# Altium PCB PCB1.PcbDoc (part 2 of 2) (continued)
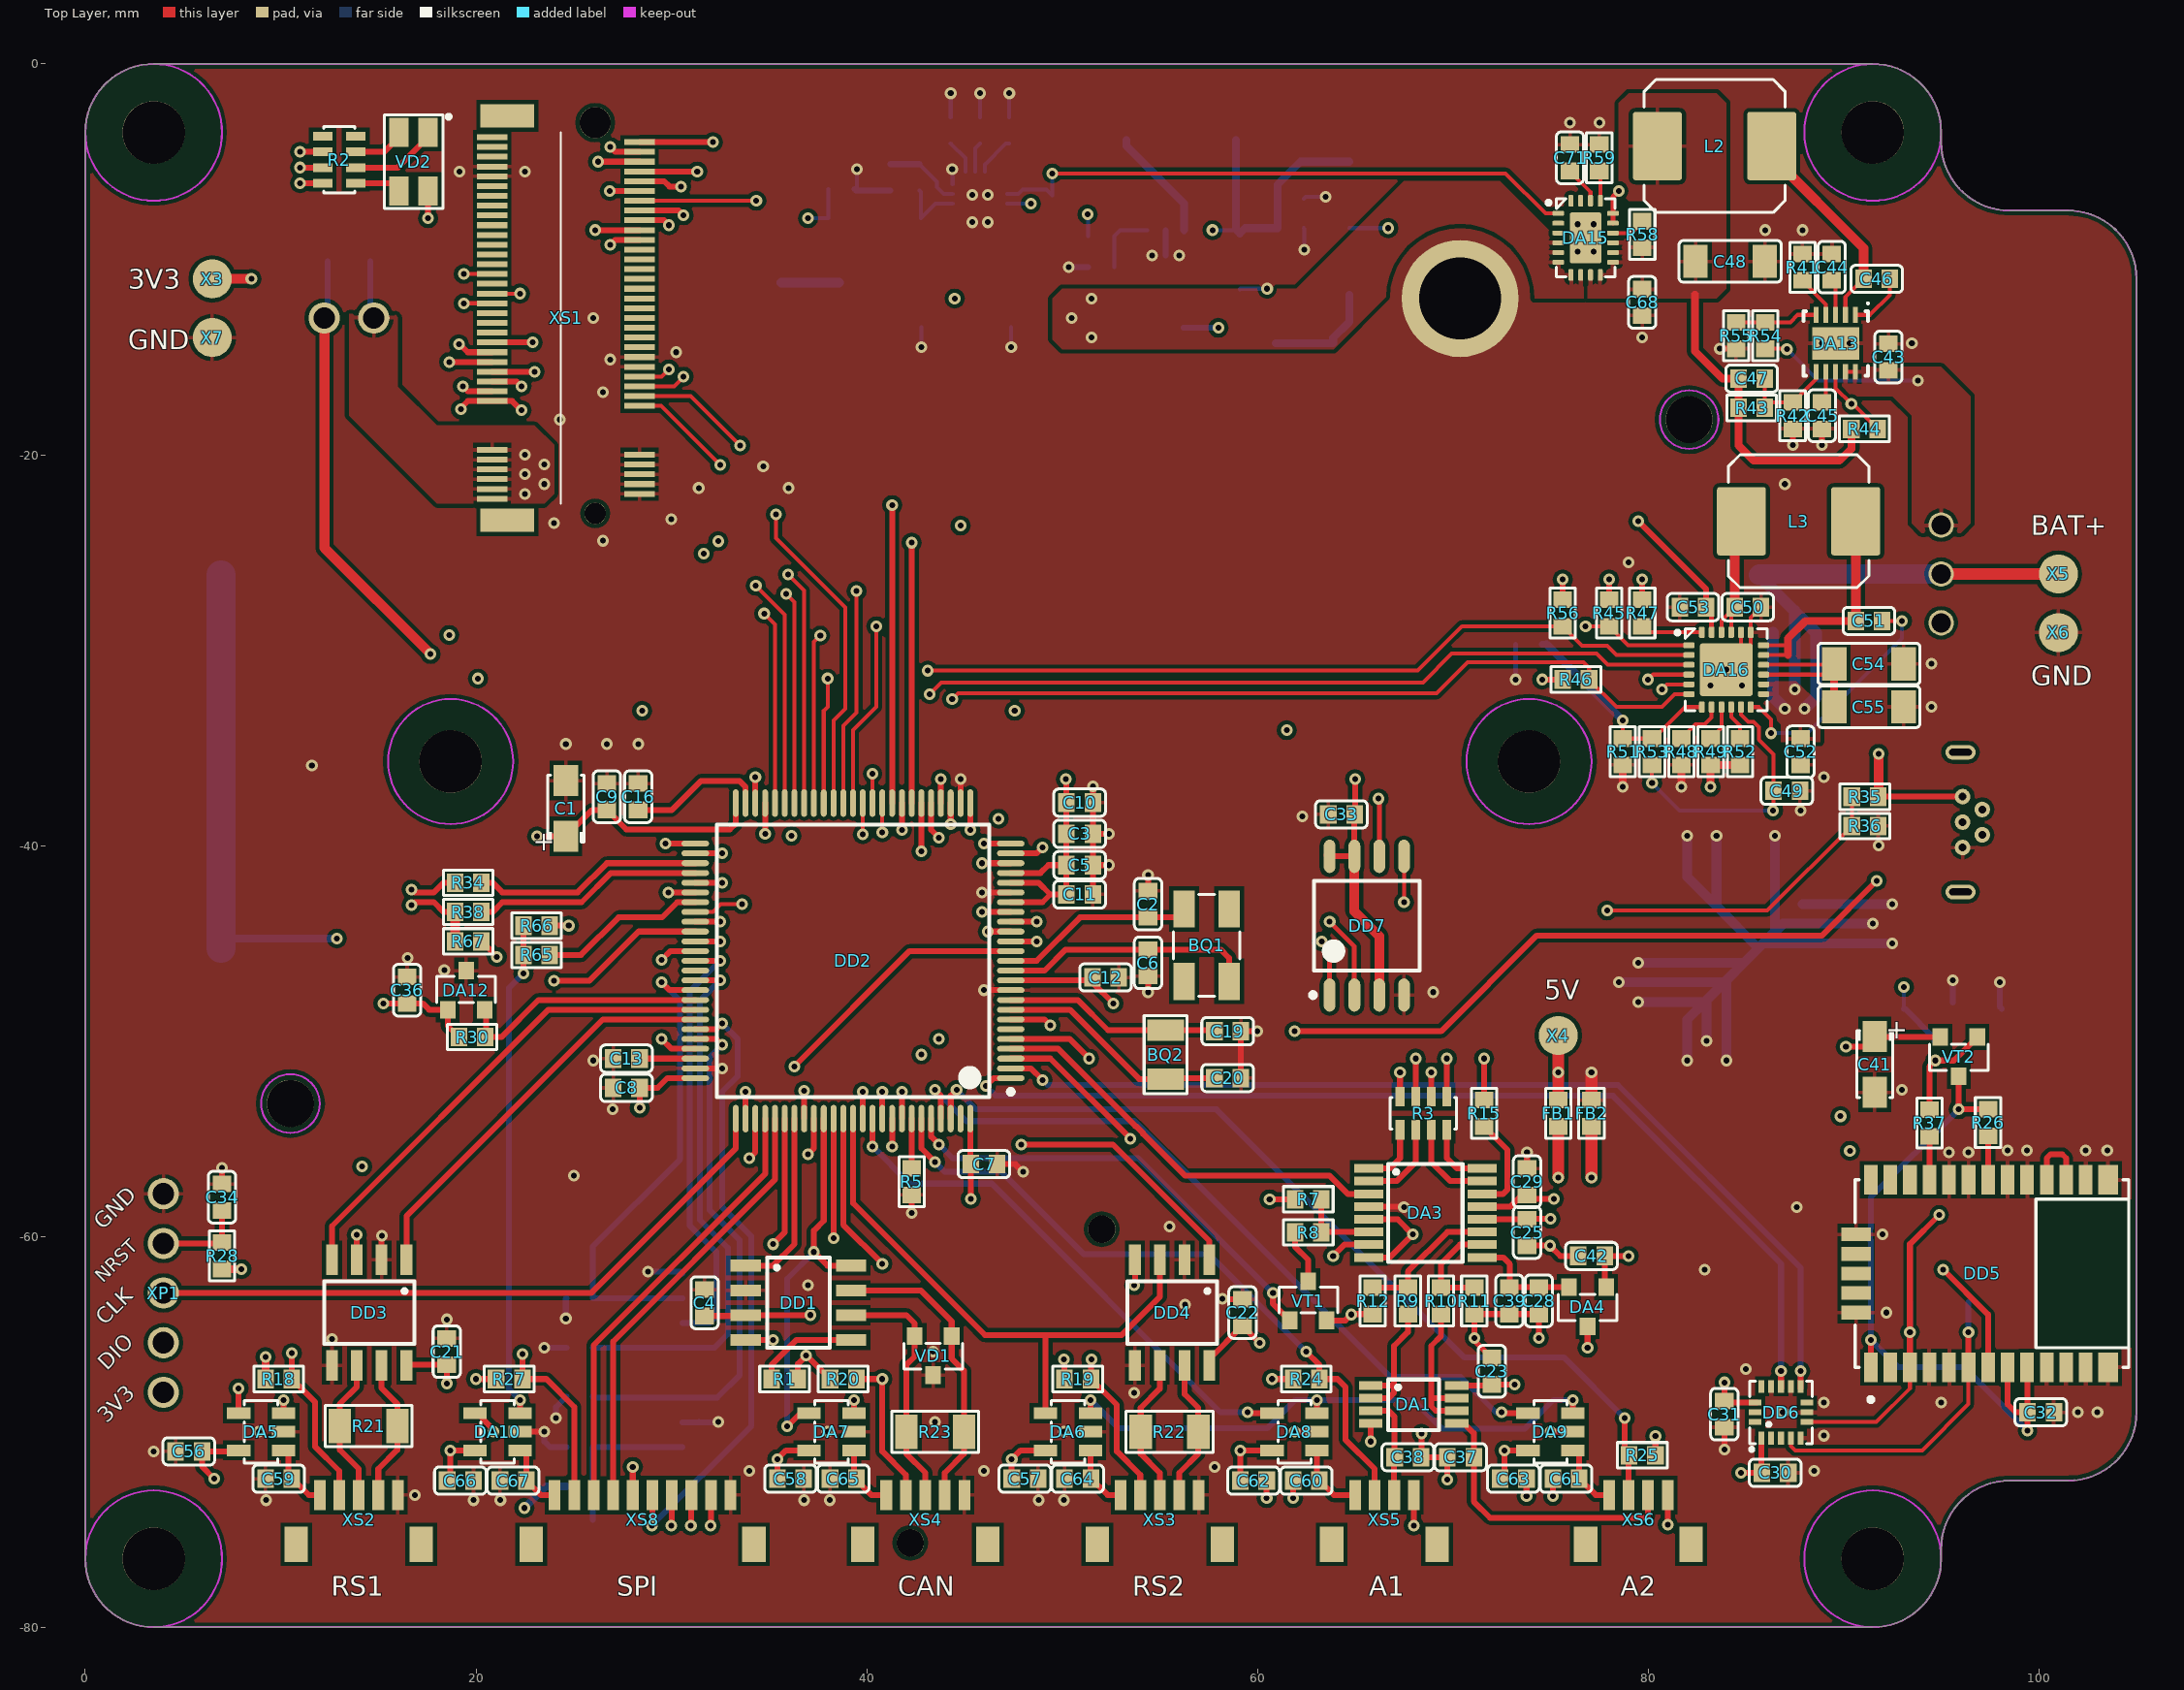
[diagram p0: Top Layer view]
## Nets (pads, with @x,y where several pads share a name; then routed paths per layer and width w, separated by ;. In a path a pad name is that pad's centre, name@x,y a point inside that pad or via, vN(x,y) a via of type N, cw(c..) or ccw(c..) an arc to the next point about the centre after c; other vN are vias at no path point) (continued)
NetDA13_4: DA13.4 R41.2 | length 2.3
  Top Layer w0.2: R41.2@87.9,-11.075 87.9,-11.1 89.1,-12.3 DA13.4@89.1,-12.84
NetDA13_5: DA13.5 R54.2 R55.2 | length 4.3
  Top Layer w0.2: R55.2@84.5,-13.225 R54.2@86,-13.225 87.275,-13.225 87.66,-12.84 DA13.5@88.6,-12.84
NetDA14_2: DA14.2 DA15.1 R60.1 | length 30.4
  Top Layer w0.2: v1(49.5,-5.6) 72.7,-5.6 74.75,-7.65 DA15.1@75.4,-7.65
  Bottom Layer w0.2: DA14.2@47.2,-6.65 47.75,-6.65 47.975,-6.425 49.2,-6.425 R60.1@49.5,-6.725 v1(49.5,-5.6)
NetDA14_3: DA14.3 R61.2 R63.1 | length 15.4
  IN1 w0.2: v1(37,-7.9) 37.4,-7.5 48.05,-7.5 v1(48.4,-7.15)
  Bottom Layer w0.2: v1(37,-7.9) R63.1@38.025,-7.9 R61.2@38.025,-6.4 ; DA14.3@47.2,-7.15 v1(48.4,-7.15)
NetDA14_14: DA14.14 R39.1 R57.2 | length 3.4
  Bottom Layer w0.2: R57.2@42.7,-6.475 42.775,-6.55 R39.1@42.775,-7.9 43.525,-7.15 DA14.14@44.4,-7.15
NetDA14_15: DA14.15 R40.1 R57.1 | length 4
  Bottom Layer w0.2: R57.1@42.7,-5.125 43.6,-6.025 43.6,-6.3 43.95,-6.65 DA14.15@44.4,-6.65
  Bottom Layer w0.3: R40.1@41.2,-5.125 R57.1@42.7,-5.125
NetDA14_17: DA14.17 R62.1 | length 1.7
  Bottom Layer w0.2: R62.1@44.3,-4.075 45.05,-4.825 DA14.17@45.05,-5.5
NetDA14_19: DA14.19 R64.2 | length 2
  Bottom Layer w0.2: DA14.19@46.05,-5.5 46.05,-5.15 47.125,-4.075 R64.2@47.3,-4.075
NetDA15_14: DA15.14 R58.1 | length 1.7
  Top Layer w0.2: DA15.14@78.2,-8.65 79.15,-8.65 R58.1@79.7,-8.1
NetDA15_17: DA15.17 R59.1 | length 1.5
  Top Layer w0.2: R59.1@77.5,-5.475 77.55,-5.525 DA15.17@77.55,-7
NetDA16_8: DA16.8 R48.2 | length 2.5
  Top Layer w0.2: R48.2@81.7,-34.525 82.425,-33.8 82.9,-33.8 83.25,-33.45 DA16.8@83.25,-32.912
NetDA16_9: DA16.9 R49.1 | length 1.8
  Top Layer w0.2: R49.1@83.2,-34.525 83.75,-33.975 DA16.9@83.75,-32.912
NetDA16_10: DA16.10 R52.1 | length 1.8
  Top Layer w0.2: DA16.10@84.25,-32.912 84.25,-33.416 84.7,-33.866 R52.1@84.7,-34.525
NetDA16_24: DA16.24 R47.1 | length 3.2
  Top Layer w0.2: R47.1@79.7,-28.775 80.012,-29.087 DA16.24@82.75,-29.087
NetDD1_5: DD1.5 R1.2 | length 5.3
  Top Layer w0.3: R1.2@35.125,-67.3 35.125,-66.575 36.395,-65.305 DD1.5@39.2,-65.305
NetDD2_57: DD2.57 R65.1 | length 8.6
  Top Layer w0.3: R65.1@23.775,-45.6 25.375,-45.6 27.3,-43.675 29.525,-43.675 30.3,-42.9 DD2.57@31.225,-42.9
NetDD2_94: DD2.94 R5.1 | length 2.5
  Top Layer w0.3: R5.1@42.3,-56.525 DD2.94@42.3,-53.975
NetDD5_16: DD5.16 DD5.17 | length 3.4
  Top Layer w0.3: DD5.17@100.4,-57.1 100.4,-56 100.6,-55.8 101.2,-55.8 101.4,-56 DD5.16@101.4,-57.1
NetDD5_20: DD5.20 R26.1 | length 2.3
  Top Layer w0.3: DD5.20@97.4,-57.1 R26.1@97.4,-54.85
NetDD5_23: DD5.23 R37.1 | length 2.2
  Top Layer w0.3: DD5.23@94.4,-57.1 R37.1@94.4,-54.875
NetR2_1: R2.1 VD2.3 | length 2.4
  Top Layer w0.3: R2.1@13.85,-6.1 15.65,-6.1 VD2.3@16.05,-6.5
NetR2_2: R2.2 VD2.1 | length 4.6
  Top Layer w0.3: R2.2@13.85,-5.3 15.995,-5.3 17.55,-3.745 VD2.1@17.55,-3.5
NetR2_3: R2.3 VD2.4 | length 2.8
  Top Layer w0.3: R2.3@13.85,-4.5 15.3,-4.5 16.05,-3.75 VD2.4@16.05,-3.5
NetR8_1: R8.1 VT1.3 | length 2.5
  Top Layer w0.3: R8.1@61.926,-60.1 61.926,-60.526 62.6,-61.2 VT1.3@62.6,-62.299
NRST: C34.1 DD2.14 R28.1 XP1.4 | length 54.2
  Top Layer w0.3: XP1.4@4,-60.36 6.96,-60.36 R28.1@7,-60.32 C34.1@7,-58.67 ; v1(36.3,-51.3) 42.2,-45.4 DD2.14@47.375,-45.4
  IN1 w0.3: XP1.4@4,-60.36 6.54,-60.36 14.425,-52.475 32.825,-52.475 34,-51.3 v1(36.3,-51.3)
OPEN_1: DA11.2 DD2.29 R29.1 | length 59
  Top Layer w0.3: DD2.29@43.8,-37.825 v1(43.8,-36.6)
  IN1 w0.2: v1(43.8,-36.6) 44.6,-35.8 65.625,-35.8 71.3,-41.475 87.325,-41.475 v1(93.1,-47.25)
  Bottom Layer w0.2: R29.1@93.1,-48.35 v1(93.1,-47.25)
  Bottom Layer w0.3: R29.1@93.1,-48.35 93.145,-48.35 94.65,-49.855 DA11.2@94.65,-50.025
OPEN_2: DA12.2 DD2.67 R30.1 | length 13
  Top Layer w0.3: DA12.2@20.525,-48.4 20.525,-49.75 R30.1@20.475,-49.8 21.3,-49.8 23.2,-47.9 DD2.67@31.225,-47.9
OSC_IN: BQ1.2 C6.1 DD2.12 | length 13
  Top Layer w0.3: DD2.12@47.375,-46.4 49.1,-46.4 50.175,-45.325 C6.1@54.4,-45.325 58.125,-45.325 58.55,-45.75 BQ1.2@58.55,-46.95
OSC_OUT: BQ1.1 C2.1 DD2.13 | length 10
  Top Layer w0.3: DD2.13@47.375,-45.9 48.7,-45.9 50.925,-43.675 C2.1@54.4,-43.675 55.825,-43.675 BQ1.1@56.25,-43.25
PG_BAT: DA13.8 DD2.39 R44.2 | length 71
  Top Layer w0.2: DD2.39@38.8,-37.825 38.8,-33.875 39.475,-33.2 v1(39.475,-26.975) ; DA13.8@89.6,-15.76 89.6,-16.6 v1(90.4,-17.4) 90.475,-17.4 R44.2@91.75,-18.675
  IN1 w0.2: v1(39.475,-26.975) 82.725,-26.975 90.4,-19.3 v1(90.4,-17.4)
RS1_A: DD3.6 R21.2 XS2.3 | length 7.4
  Top Layer w0.3: DD3.6@13.9,-66.6 13.9,-67.7 13.025,-68.575 R21.2@13.025,-69.7 13.025,-70.925 14,-71.9 XS2.3@14,-73.238
RS1_B: DD3.7 R21.1 XS2.4 | length 7.4
  Top Layer w0.3: XS2.4@15,-73.238 15,-71.9 15.975,-70.925 R21.1@15.975,-69.7 15.975,-68.575 15.17,-67.77 DD3.7@15.17,-66.6
RS1_CONNECTED: DD2.59 R18.2 XS2.2 | length 43.2
  Top Layer w0.3: v1(10.575,-65.975) R18.2@10.575,-67.3 11.75,-68.475 11.75,-70.75 13,-72 XS2.2@13,-73.238 ; DD2.59@31.225,-43.9 v1(32.5,-43.9)
  IN2 w0.3: v1(10.575,-65.975) 18,-58.55 18,-54.1 27.2,-44.9 27.8,-44.3 32.1,-44.3 v1(32.5,-43.9)
RS1_VCC_EN: DA5.4 DD2.60 DD3.3 | length 38.4
  Top Layer w0.3: DA5.4@7.85,-69.05 v1(7.85,-67.775) ; DD3.3@13.9,-61.2 v1(13.9,-59.925) ; v1(24,-46.925) 25.8,-46.925 28.325,-44.4 30,-44.4 DD2.60@31.225,-44.4
  IN2 w0.3: v1(7.85,-67.775) 7.85,-65.975 v1(13.9,-59.925) 17.2,-56.625 17.2,-53.725 v1(24,-46.925)
RS2_A: DD4.6 R22.2 XS3.3 | length 7.4
  Top Layer w0.3: XS3.3@55,-73.238 55,-72.1 54.025,-71.125 R22.2@54.025,-70 54.025,-68.775 55,-67.8 DD4.6@55,-66.6
RS2_B: DD4.7 R22.1 XS3.4 | length 7.3
  Top Layer w0.3: XS3.4@56,-73.238 56,-72.1 56.975,-71.125 R22.1@56.975,-70 56.975,-68.775 56.27,-68.07 DD4.7@56.27,-66.6
RS2_CONNECTED: DD2.89 R19.2 XS3.2 | length 30.8
  Top Layer w0.3: DD2.89@39.8,-53.975 v1(39.8,-52.6) ; v1(51.5,-66.3) 51.475,-66.325 R19.2@51.475,-67.3 52.8,-68.625 52.8,-71 54,-72.2 XS3.2@54,-73.238
  IN2 w0.3: v1(39.8,-52.6) 39.8,-54.6 39.325,-55.075 39.325,-58.325 45.1,-64.1 49.3,-64.1 v1(51.5,-66.3)
RS2_VCC_EN: DA6.4 DD2.88 DD4.3 | length 29.5
  Top Layer w0.3: DD2.88@39.3,-53.975 39.3,-58.3 46.05,-65.05 49.15,-65.05 ; DA6.4@49.15,-69.05 49.15,-65.05 ; DD4.3@55,-61.2 55,-63.1 53.05,-65.05 49.15,-65.05
SIM_CONNECTED: C14.1 DD2.66 R31.1 X1.7 | length 24.9
  Top Layer w0.3: v1(29.5,-47) 29.9,-47.4 DD2.66@31.225,-47.4
  Bottom Layer w0.3: v1(29.5,-47) 30.45,-47.95 30.45,-56.05 25.975,-60.525 R31.1@25.975,-61.6 C14.1@25.975,-63.165 X1.7@30.565,-63.165
SIM_RST: C17.1 DD2.71 X1.3 | length 27.3
  Top Layer w0.3: DD2.71@31.225,-49.9 32.3,-49.9 v1(32.6,-50.2)
  Bottom Layer w0.3: C17.1@25.975,-68.2 26.02,-68.245 X1.3@30.565,-68.245 32.355,-68.245 33.5,-67.1 33.5,-60.2 31.95,-58.65 31.95,-50.85 v1(32.6,-50.2)
SIM_VCC: C18.1 R4.1 R6.1 X1.1 | length 8.3
  Bottom Layer w0.3: R6.1@25.975,-74.5 R4.1@25.975,-72.785 C18.1@25.975,-70.785 X1.1@30.565,-70.785
SPI1_MISO: DD2.31 R3.6 | length 41.5
  Top Layer w0.3: v1(42.8,-40.3) DD2.31@42.8,-37.825 ; R3.6@68.9,-52.85 v1(68.9,-51.6)
  IN1 w0.3: v1(42.8,-50.7) 49.175,-50.7 51.175,-52.7 67.8,-52.7 v1(68.9,-51.6)
  IN2 w0.3: v1(42.8,-50.7) v1(42.8,-40.3)
SPI1_MOSI: DD2.91 R3.5 | length 35.2
  Top Layer w0.3: DD2.91@40.8,-53.975 v1(40.8,-52.6) ; R3.5@69.7,-52.85 v1(69.7,-50.9)
  IN1 w0.3: v1(40.8,-52.6) 42,-51.4 46.6,-51.4 48.55,-53.35 68.45,-53.35 69.7,-52.1 v1(69.7,-50.9)
SPI1_SCK: DD2.30 R3.8 | length 37.8
  Top Layer w0.3: DD2.30@43.3,-37.825 43.3,-39.2 v1(43.7,-39.6) ; R3.8@67.3,-52.85 v1(67.3,-51.6)
  IN1 w0.3: v1(43.7,-49.9) 49.3,-49.9 51,-51.6 v1(67.3,-51.6)
  IN2 w0.3: v1(43.7,-49.9) v1(43.7,-39.6)
SPI2_MISO: DD2.17 DD7.2 XS1.10 | length 69.7
  Top Layer w0.25: v2(63.7,-43.9) 64.965,-45.165 DD7.2@64.965,-47.65
  Top Layer w0.3: XS1.10@20.825,-15.75 v1(23,-15.75) ; DD2.17@47.375,-43.9 v1(48.7,-43.9)
  IN1 w0.2: v1(23,-15.75) 24.35,-15.75 32.25,-23.65 44.775,-23.65 v1(44.8,-23.625)
  IN1 w0.3: v1(48.7,-43.9) v2(63.7,-43.9)
  IN2 w0.2: v1(44.8,-23.625) 48.3,-27.125 48.3,-43.5 v1(48.7,-43.9)
SPI2_MOSI: DD2.18 DD7.5 XS1.9 | length 68.6
  Top Layer w0.2: v2(67.5,-42.9) 67.505,-42.895 DD7.5@67.505,-40.55
  Top Layer w0.3: XS1.9@20.825,-16.25 22.075,-16.25 v1(22.325,-16.5) ; v1(45.9,-43.4) 46,-43.4 DD2.18@47.375,-43.4
  IN1 w0.2: v1(22.325,-16.5) 24.475,-16.5 v1(32.4,-24.425)
  IN1 w0.3: v1(36.15,-39.5) 40.05,-43.4 v1(45.9,-43.4) 46.4,-42.9 v2(67.5,-42.9)
  IN2 w0.2: v1(32.4,-24.425) 32.4,-32.984 36.15,-36.734 v1(36.15,-39.5)
SPI2_SCK: DD2.47 DD7.6 XS1.8 | length 74.2
  Top Layer w0.25: v1(66.2,-37.6) 66.235,-37.635 DD7.6@66.235,-40.55
  Top Layer w0.3: v1(19.325,-16.5) 19.575,-16.75 XS1.8@20.825,-16.75 ; v1(34.8,-39.4) DD2.47@34.8,-37.825
  IN1 w0.2: v1(19.325,-16.5) 20.15,-17.325 20.15,-24.025 21.175,-25.05 v1(31.65,-25.05)
  IN1 w0.3: v1(34.8,-39.4) 36.6,-37.6 51.281,-37.6 51.306,-37.625 51.844,-37.625 51.869,-37.6 v1(66.2,-37.6)
  IN2 w0.2: v1(31.65,-25.05) 31.65,-32.8 35.3,-36.45 35.3,-38.9 v1(34.8,-39.4)
SPI3_CONNECTED: DD2.62 R27.2 XS8.2 | length 34.1
  Top Layer w0.3: v1(22.375,-66.025) R27.2@22.375,-67.3 23.6,-67.3 25.025,-68.725 XS8.2@25.025,-73.238 ; v1(29.5,-45.85) 29.95,-45.4 DD2.62@31.225,-45.4
  IN2 w0.3: v1(22.375,-66.025) 22.375,-52.975 v1(29.5,-45.85)
SPI3_CS1: DD2.70 XS8.6 | length 32.1
  Top Layer w0.3: v1@29.025,-74.775 XS8.6@29.025,-73.238 ; DD2.70@31.225,-49.4 32.3,-49.4 v1(32.6,-49.1)
  Bottom Layer w0.3: v1(29,-74.8) 34.1,-69.7 34.1,-60 32.6,-58.5 32.6,-52.6 33.4,-51.8 33.4,-49.9 v1(32.6,-49.1)
SPI3_CS2: DD2.78 XS8.7 | length 24.2
  Top Layer w0.3: v1(30,-74.8) 30.05,-74.8 30.025,-74.775 XS8.7@30.025,-73.238 ; v1(34,-56) 34.3,-55.7 DD2.78@34.3,-53.975
  IN2 w0.3: v1(30,-74.8) 30,-60 v1(34,-56)
SPI3_CS3: DD2.83 XS8.8 | length 27.7
  Top Layer w0.3: v1(31,-74.8) 31.025,-74.775 XS8.8@31.025,-73.238 ; DD2.83@36.8,-53.975 v1(36.8,-52.55)
  IN2 w0.3: v1(31,-74.8) 31,-60.35 36.8,-54.55 v1(36.8,-52.55)
SPI3_CS4: DD2.84 XS8.9 | length 24.6
  Top Layer w0.3: v1(32,-74.8) 32.025,-74.775 XS8.9@32.025,-73.238 ; v1(37,-55.8) 37.3,-55.5 DD2.84@37.3,-53.975
  IN2 w0.3: v1(32,-74.8) 32,-71.3 36.1,-67.2 36.1,-56.7 v1(37,-55.8)
SPI3_MISO: DD2.79 XS8.3 | length 22.9
  Top Layer w0.3: XS8.3@26.025,-73.238 26.025,-65.575 34.8,-56.8 DD2.79@34.8,-53.975
SPI3_MOSI: DD2.80 XS8.4 | length 22.7
  Top Layer w0.3: XS8.4@27.025,-73.238 27.025,-65.375 35.3,-57.1 DD2.80@35.3,-53.975
SPI3_SCK: DD2.77 XS8.5 | length 24.4
  Top Layer w0.3: XS8.5@28.025,-73.238 v1(28.025,-71.8) ; DD2.77@33.8,-53.975 v1(33.8,-52.6)
  IN2 w0.3: v1(28.025,-71.8) 28.025,-58.375 v1(33.8,-52.6)
SPI3_VCC_EN: DA10.4 DD2.61 | length 35.1
  Top Layer w0.3: DA10.4@19.95,-69.05 20.05,-69.05 20.9,-69.9 v1(20.9,-70) ; DD2.61@31.225,-44.9 v1(32.5,-44.9)
  IN2 w0.3: v1(20.9,-70) 20.9,-52.2 28.2,-44.9 v1(32.5,-44.9)
SYS_JTCK_SWCLK: DD2.76 XP1.3 | length 33.9
  Top Layer w0.3: XP1.3@4,-62.9 25.9,-62.9 33.3,-55.5 DD2.76@33.3,-53.975
SYS_JTMS_SWDIO: DD2.72 XP1.2 | length 42
  Top Layer w0.3: v1(29.5,-49.9) 30,-50.4 DD2.72@31.225,-50.4
  IN1 w0.3: XP1.2@4,-65.44 2.1,-63.54 2.1,-56.2 8.4,-49.9 v1(29.5,-49.9)
USART1_RX: DD2.69 DD3.1 | length 21.2
  Top Layer w0.3: DD3.1@16.44,-61.2 16.44,-58.96 26.5,-48.9 DD2.69@31.225,-48.9
USART1_TX: DD2.68 DD3.4 | length 24.9
  Top Layer w0.3: DD3.4@12.63,-61.2 12.63,-59.47 23.7,-48.4 DD2.68@31.225,-48.4
USART2_RX: DD2.26 DD4.1 | length 31.5
  Top Layer w0.3: v1(45.3,-39.2) DD2.26@45.3,-37.825 ; v1(47.9,-55.3) 52.6,-55.3 57.54,-60.24 DD4.1@57.54,-61.2
  IN2 w0.3: v1(45.3,-39.2) 44.925,-39.575 44.925,-49.55 47.9,-52.525 v1(47.9,-55.3)
USART2_TX: DD2.86 DD4.4 | length 23.8
  Top Layer w0.3: v1(38.3,-60.1) DD2.86@38.3,-53.975 ; v1(53.7,-62.5) 53.73,-62.47 DD4.4@53.73,-61.2
  IN1 w0.3: v1(38.3,-60.1) 40.7,-62.5 v1(53.7,-62.5)
USART3_RX: DD2.56 XS1.17 | length 37.3
  Top Layer w0.23: v1(19.375,-12.25) XS1.17@20.825,-12.25
  Top Layer w0.3: v1(29.85,-42.4) DD2.56@31.225,-42.4
  IN2 w0.3: v1(19.375,-12.25) 20.65,-13.525 20.65,-28.225 23,-30.575 23,-35.55 v1(29.85,-42.4)
USART3_TX: DD2.55 XS1.18 | length 39.5
  Top Layer w0.2: XS1.18@20.825,-11.75 v1(22.25,-11.75)
  Top Layer w0.3: DD2.55@31.225,-41.9 v1(32.6,-41.9)
  IN2 w0.3: v1(22.25,-11.75) 21.3,-12.7 21.3,-27.775 23.7,-30.175 23.7,-35.45 29.15,-40.9 31.6,-40.9 v1(32.6,-41.9)
USART6_CK: C15.1 DD2.65 X1.5 | length 27.6
  Top Layer w0.3: DD2.65@31.225,-46.9 v1(32.5,-46.9)
  Bottom Layer w0.3: C15.1@25.975,-65.705 X1.5@30.565,-65.705 32.195,-65.705 32.9,-65 32.9,-60.6 31.45,-59.15 31.45,-47.95 v1(32.5,-46.9)
USART6_RX: DD2.64
USART6_TX: DD2.63 X1.6 | length 22.5
  Top Layer w0.3: DD2.63@31.225,-45.9 v1(32.5,-45.9)
  Bottom Layer w0.3: X1.6@30.565,-64.435 31.965,-64.435 32.3,-64.1 32.3,-60.8 30.95,-59.45 30.95,-47.45 v1(32.5,-45.9)
USB_CON: DD2.58 R35.2 R36.2 | length 65
  Top Layer w0.2: DD2.58@31.225,-43.4 32.125,-43.4 32.525,-43 v1(33.625,-43) ; v1(77.9,-43.325) 86.1,-43.325 R36.2@90.425,-39 R35.2@90.425,-37.5
  IN1 w0.2: v1(33.625,-43) 36.675,-46.05 75.175,-46.05 v1(77.9,-43.325)
USB_D_N: DD2.53 R34.2 | length 11.8
  Top Layer w0.3: R34.2@20.275,-41.9 20.85,-41.9 21.35,-42.4 25.2,-42.4 26.7,-40.9 DD2.53@31.225,-40.9
USB_D_P: DD2.54 R38.2 | length 11.8
  Top Layer w0.3: R38.2@20.275,-43.4 20.85,-43.4 21.35,-42.9 25.407,-42.9 26.907,-41.4 DD2.54@31.225,-41.4
USB_N: R34.1 XS7.2 | length 91.2
  Top Layer w0.3: v1(16.7,-42.25) 16.85,-42.4 17.85,-42.4 18.35,-41.9 R34.1@18.925,-41.9
  IN1 w0.2: v1(16.7,-42.25) 16.749,-42.25 16.949,-42.45 23.184,-42.45 30.734,-34.9 66.125,-34.9 71.75,-40.525 87.584,-40.525 89.709,-38.4 93.9,-38.4 95.6,-36.7 96.6,-36.7 97.1,-37.2 XS7.2@97.1,-38.15
USB_P: R38.1 R67.1 XS7.3 | length 91.2
  Top Layer w0.3: v1(16.7,-43.05) 16.85,-42.9 17.85,-42.9 18.35,-43.4 R38.1@18.925,-43.4
  Top Layer w0.5: R67.1@18.925,-44.9 R38.1@18.925,-43.4
  IN1 w0.2: v1(16.7,-43.05) 16.9,-42.85 23.35,-42.85 30.9,-35.3 65.875,-35.3 71.5,-40.925 87.75,-40.925 89.875,-38.8 93.7,-38.8 93.925,-38.8 94.375,-38.8 94.78,-38.8 ccw(c94.78,-38.755) 94.825,-38.755 94.825,-38.132 cw(c94.87,-38.132) 94.87,-38.087 95.23,-38.087 cw(c95.23,-38.132) 95.275,-38.132 95.275,-38.755 ccw(c95.32,-38.755) 95.32,-38.8 XS7.3@96.1,-38.8
V_REGN: C49.1 DA16.11 R53.2 | length 13.9
  Top Layer w0.2: v1(80.2,-36.8) R53.2@80.2,-35.875 ; DA16.11@84.75,-32.912 84.75,-33.3 85.125,-33.675 85.4,-33.675 85.675,-33.95 85.675,-34.575 86.425,-35.325 C49.1@86.425,-37.2 86.425,-38.075 86.4,-38.1 v1(86.4,-38.2)
  Bottom Layer w0.2: v1(80.2,-36.8) 81.6,-38.2 v1(86.4,-38.2)
pads on no net: BQ1.0 DA14.1 DA14.20 DA15.2 DA15.3 DA15.19 DA15.20 DD2.6 DD2.99 DD5.2 DD5.24 DD5.25 DD5.26 DD5.28 DD5.29 DD5.30 DD6.2 DD6.3 DD6.8 DD6.13 DD6.15 DD6.16 R2.4 R2.5 SA1.1 X1.0 X1.4 X2.0 XS1.0 XS1.14 XS1.15 XS1.16 XS1.19 XS1.21 XS1.22 XS1.23 XS1.24 XS1.25 XS1.26 XS1.27 XS1.28 XS1.29 XS1.32 XS1.33 XS1.34 XS1.46 XS1.47 XS1.48 XS1.49 XS1.50 XS1.51 XS1.52 XS1.53 XS1.54 XS1.55 XS1.56 XS2.0 XS3.0 XS4.0 XS5.0 XS6.0 XS7.0 XS7.4 XS8.0

## Polygon pours and split planes (outlines as drawn)
5V on IN2 "5V_L03_P036" (solid, pour order 36): 49.5,-12 50,-11.5 52.5,-11.5 53,-12 53,-20.475 76.5,-43.975 76.5,-52 55,-73.5 38.275,-73.5 34.275,-77.5 10.5,-77.5 5.5,-72.5 5.5,-70.5 6,-70 19,-70 20.5,-71.5 24.5,-71.5 28.5,-75.5 32,-75.5 34,-73.5 34,-71.5 35,-70.5 52.5,-70.5 73,-50 73,-45.475 49.5,-21.975
5V_ADC on IN2 "5VADC" (solid, pour order 14): 74.5,-56 76.3,-56 76.6,-56.3 76.6,-56.5 76.6,-60.525 74.5,-62.625 74.5,-68.5 74.5,-71.8 74,-72.3 73.8,-72.5 60,-72.5 58.75,-71.25 58.75,-70.5 60.45,-68.8 67,-68.8 68,-68.8 68.7,-68.1 69.3,-67.5 69.3,-61.2
GND on IN2 "GND_L03_P043" (solid, pour order 43): 3.5,-80 91.5,-80 ccw(c91.5,-76.5) 95,-76.5 95,-76 cw(c98.5,-76) 98.5,-72.5 101.5,-72.5 ccw(c101.5,-69) 105,-69 105,-11 ccw(c101.5,-11) 101.5,-7.5 98.5,-7.5 cw(c98.5,-4) 95,-4 95,-3.5 ccw(c91.5,-3.5) 91.5,0 3.5,0 ccw(c3.5,-3.5) 0,-3.5 0,-76.5 ccw(c3.5,-76.5)
5V_POE on Bottom Layer "5V_POE_L04_P016" (solid, pour order 16): 38.3,-12.7 38.3,-7.7 42.2,-7.7 42.2,-7.1 45.7,-7.1 45.7,-12.7
5V on Bottom Layer "5V_L04_P018" (solid, pour order 18): 47.9,-7.5 45.8,-7.5 45.8,-10.3 45.8,-12.7 48.1,-12.7 51.4,-16 54.475,-16 54.475,-13.025 55,-12.5 56.5,-12.5 56.5,-11 54.475,-11 53.975,-11.5 50.5,-11.5 50,-11 50,-7.5
5V_POE on Bottom Layer "5V_POE_L04_P034" (solid, pour order 34): 22,-19.5 21.5,-20 21.5,-22 22,-22.5 29,-22.5 36.2,-15.3 36.2,-10 35.7,-9.5 34,-9.5 33.5,-10 33.5,-14.5 28.5,-19.5
3V3 on Bottom Layer "3V3_L04_P037" (solid, pour order 37): 3.5,-80 91.5,-80 ccw(c91.5,-76.5) 95,-76.5 95,-76 cw(c98.5,-76) 98.5,-72.5 101.5,-72.5 ccw(c101.5,-69) 105,-69 105,-11 ccw(c101.5,-11) 101.5,-7.5 98.5,-7.5 cw(c98.5,-4) 95,-4 95,-3.5 ccw(c91.5,-3.5) 91.5,0 3.5,0 ccw(c3.5,-3.5) 0,-3.5 0,-76.5 ccw(c3.5,-76.5)
BAT_SW on Top Layer "BAT_SW_L01_P020" (solid, pour order 20): 94,-24 96,-24 96.5,-23.5 96.5,-17 95,-15.5 89.8,-15.5 89.8,-17 92.5,-17 93.5,-18 93.5,-20.425 93.5,-23.5
BAT+ on Top Layer "BAT+_L01_P022" (solid, pour order 22): 85.7,-31.6 87.6,-31.6 88.8,-32.8 88.8,-34.7 86.8,-34.7 86.8,-33.8 85.7,-32.7
5V_BAT on Top Layer "5V_BAT_L01_P026" (solid, pour order 26): 83.5,-12 84,-11.5 84,-2 83.5,-1.5 79,-1.5 78.5,-2 78.5,-6.5 79,-7 79.9,-7 80.4,-7.5 80.4,-8.5 78.5,-8.5 76.9,-10.1 76.9,-12
5V on Top Layer "5V_L01_P028" (solid, pour order 28): 76.7,-10.5 76.7,-12 74.1,-12 71,-8.9 69.6,-8.9 63.9,-14.6 50,-14.6 49.5,-14.1 49.5,-12 50,-11.5 62,-11.5 67.5,-6 72.4,-6 75.4,-9 75.9,-9 75.9,-10.5
5V_POE on Top Layer "5V_POE_L01_P030" (solid, pour order 30): 18,-22.5 13.5,-18 13.5,-12.8 16,-12.8 16,-16.5 18,-18.5 23,-18.5 24,-19.5 24,-22 23.5,-22.5
GND on Top Layer "GND_L01_P039" (solid, pour order 39): 3.5,-80 91.5,-80 ccw(c91.5,-76.5) 95,-76.5 95,-76 cw(c98.5,-76) 98.5,-72.5 101.5,-72.5 ccw(c101.5,-69) 105,-69 105,-11 ccw(c101.5,-11) 101.5,-7.5 98.5,-7.5 cw(c98.5,-4) 95,-4 95,-3.5 ccw(c91.5,-3.5) 91.5,0 3.5,0 ccw(c3.5,-3.5) 0,-3.5 0,-76.5 ccw(c3.5,-76.5)
AGND on IN1 "AGND" (solid, pour order 2): 75.1,-56 77.5,-56 78.3,-56.8 78.3,-71.225 81.375,-74.3 81.375,-75.125 81,-75.5 60.375,-75.5 59.625,-74.75 59.625,-71.075 64,-66.7 64,-62.8 67.5,-59.3 68.6,-59.3 71.8,-59.3
GND on IN1 "GND_L02_P041" (solid, pour order 41): 3.5,-80 91.5,-80 ccw(c91.5,-76.5) 95,-76.5 95,-76 cw(c98.5,-76) 98.5,-72.5 101.5,-72.5 ccw(c101.5,-69) 105,-69 105,-11 ccw(c101.5,-11) 101.5,-7.5 98.5,-7.5 cw(c98.5,-4) 95,-4 95,-3.5 ccw(c91.5,-3.5) 91.5,0 3.5,0 ccw(c3.5,-3.5) 0,-3.5 0,-76.5 ccw(c3.5,-76.5)

## Keep-outs
Keep-Out Layer:
  lines w0.1: 0,-76.5 cw(c3.5,-76.5) 3.5,-73 cw(c3.5,-76.5) 7,-76.5 cw(c3.5,-76.5) 3.5,-80 ; 0,-76.5 ccw(c3.5,-76.5) 3.5,-80 ; 0,-76.5 0,-3.5 ; 0,-3.5 ccw(c3.5,-3.5) 3.5,-7 ccw(c3.5,-3.5) 7,-3.5 ccw(c3.5,-3.5) 3.5,0 ; 0,-3.5 cw(c3.5,-3.5) 3.5,0 ; 3.5,-80 91.5,-80 ; 3.5,0 91.5,0 ; 91.5,-80 cw(c91.5,-76.5) 88,-76.5 cw(c91.5,-76.5) 91.5,-73 cw(c91.5,-76.5) 95,-76.5 ; 91.5,-80 ccw(c91.5,-76.5) 95,-76.5 ; 91.5,0 ccw(c91.5,-3.5) 88,-3.5 ccw(c91.5,-3.5) 91.5,-7 ccw(c91.5,-3.5) 95,-3.5 ; 91.5,0 cw(c91.5,-3.5) 95,-3.5 ; 95,-76.5 95,-76 cw(c98.5,-76) 98.5,-72.5 101.5,-72.5 ccw(c101.5,-69) 105,-69 105,-11 ccw(c101.5,-11) 101.5,-7.5 98.5,-7.5 cw(c98.5,-4) 95,-4 95,-3.5 ; 9,-53.2 cw(c10.5,-53.2) 10.5,-51.7 cw(c10.5,-53.2) 12,-53.2 cw(c10.5,-53.2) 10.5,-54.7 cw(c10.5,-53.2) 9,-53.2 ; 15.5,-35.7 ccw(c18.7,-35.7) 18.7,-38.9 ccw(c18.7,-35.7) 21.9,-35.7 ccw(c18.7,-35.7) 18.7,-32.5 ccw(c18.7,-35.7) 15.5,-35.7 ; 70.7,-35.7 ccw(c73.9,-35.7) 73.9,-38.9 ccw(c73.9,-35.7) 77.1,-35.7 ccw(c73.9,-35.7) 73.9,-32.5 ccw(c73.9,-35.7) 70.7,-35.7 ; 80.6,-18.2 ccw(c82.1,-18.2) 82.1,-19.7 ccw(c82.1,-18.2) 83.6,-18.2 ccw(c82.1,-18.2) 82.1,-16.7 ccw(c82.1,-18.2) 80.6,-18.2

## Other copper
Top Layer:
  pour cut-out: 99.85,-58.1 105,-58.1 105,-65.7 99.85,-65.7
  pour cut-out: 3.5,-7 cw(c3.5,-3.5) 0,-3.5 cw(c3.5,-3.5) 3.5,0 cw(c3.5,-3.5) 7,-3.5 cw(c3.5,-3.5)
  pour cut-out: 91.5,-7 cw(c91.5,-3.5) 88,-3.5 cw(c91.5,-3.5) 91.5,0 cw(c91.5,-3.5) 95,-3.5 cw(c91.5,-3.5)
  pour cut-out: 91.5,-80 cw(c91.5,-76.5) 88,-76.5 cw(c91.5,-76.5) 91.5,-73 cw(c91.5,-76.5) 95,-76.5 cw(c91.5,-76.5)
  pour cut-out: 3.5,-80 cw(c3.5,-76.5) 0,-76.5 cw(c3.5,-76.5) 3.5,-73 cw(c3.5,-76.5) 7,-76.5 cw(c3.5,-76.5)
  pour cut-out: 70.7,-35.7 ccw(c73.9,-35.7) 73.9,-38.9 ccw(c73.9,-35.7) 77.1,-35.7 ccw(c73.9,-35.7) 73.9,-32.5 ccw(c73.9,-35.7)
  pour cut-out: 18.7,-38.9 cw(c18.7,-35.7) 15.5,-35.7 cw(c18.7,-35.7) 18.7,-32.5 cw(c18.7,-35.7) 21.9,-35.7 cw(c18.7,-35.7)
IN1:
  pour cut-out: 99.85,-58.1 105,-58.1 105,-65.7 99.85,-65.7
  pour cut-out: 3.5,-7 cw(c3.5,-3.5) 0,-3.5 cw(c3.5,-3.5) 3.5,0 cw(c3.5,-3.5) 7,-3.5 cw(c3.5,-3.5)
  pour cut-out: 3.5,-80 cw(c3.5,-76.5) 0,-76.5 cw(c3.5,-76.5) 3.5,-73 cw(c3.5,-76.5) 7,-76.5 cw(c3.5,-76.5)
  pour cut-out: 91.5,-80 cw(c91.5,-76.5) 88,-76.5 cw(c91.5,-76.5) 91.5,-73 cw(c91.5,-76.5) 95,-76.5 cw(c91.5,-76.5)
  pour cut-out: 91.5,-7 cw(c91.5,-3.5) 88,-3.5 cw(c91.5,-3.5) 91.5,0 cw(c91.5,-3.5) 95,-3.5 cw(c91.5,-3.5)
  pour cut-out: 70.7,-35.7 ccw(c73.9,-35.7) 73.9,-38.9 ccw(c73.9,-35.7) 77.1,-35.7 ccw(c73.9,-35.7) 73.9,-32.5 ccw(c73.9,-35.7)
  pour cut-out: 18.7,-38.9 cw(c18.7,-35.7) 15.5,-35.7 cw(c18.7,-35.7) 18.7,-32.5 cw(c18.7,-35.7) 21.9,-35.7 cw(c18.7,-35.7)
IN2:
  pour cut-out: 99.85,-58.1 105,-58.1 105,-65.7 99.85,-65.7
  pour cut-out: 88,-76.5 ccw(c91.5,-76.5) 91.5,-80 ccw(c91.5,-76.5) 95,-76.5 ccw(c91.5,-76.5) 91.5,-73 ccw(c91.5,-76.5)
  pour cut-out: 91.5,-7 cw(c91.5,-3.5) 88,-3.5 cw(c91.5,-3.5) 91.5,0 cw(c91.5,-3.5) 95,-3.5 cw(c91.5,-3.5)
  pour cut-out: 3.5,-80 cw(c3.5,-76.5) 0,-76.5 cw(c3.5,-76.5) 3.5,-73 cw(c3.5,-76.5) 7,-76.5 cw(c3.5,-76.5)
  pour cut-out: 3.5,-7 cw(c3.5,-3.5) 0,-3.5 cw(c3.5,-3.5) 3.5,0 cw(c3.5,-3.5) 7,-3.5 cw(c3.5,-3.5)
  pour cut-out: 70.7,-35.7 ccw(c73.9,-35.7) 73.9,-38.9 ccw(c73.9,-35.7) 77.1,-35.7 ccw(c73.9,-35.7) 73.9,-32.5 ccw(c73.9,-35.7)
  pour cut-out: 18.7,-38.9 cw(c18.7,-35.7) 15.5,-35.7 cw(c18.7,-35.7) 18.7,-32.5 cw(c18.7,-35.7) 21.9,-35.7 cw(c18.7,-35.7)
Bottom Layer:
  pour cut-out: 99.85,-58.1 105,-58.1 105,-65.7 99.85,-65.7
  pour cut-out: 61.2,-13.2 61.2,-15.4 66,-15.4 66,-10.5 63.5,-10.5 63.5,-13.2
  pour cut-out: 3.5,-7 cw(c3.5,-3.5) 0,-3.5 cw(c3.5,-3.5) 3.5,0 cw(c3.5,-3.5) 7,-3.5 cw(c3.5,-3.5)
  pour cut-out: 91.5,-7 cw(c91.5,-3.5) 88,-3.5 cw(c91.5,-3.5) 91.5,0 cw(c91.5,-3.5) 95,-3.5 cw(c91.5,-3.5)
  pour cut-out: 91.5,-80 cw(c91.5,-76.5) 88,-76.5 cw(c91.5,-76.5) 91.5,-73 cw(c91.5,-76.5) 95,-76.5 cw(c91.5,-76.5)
  pour cut-out: 3.5,-80 cw(c3.5,-76.5) 0,-76.5 cw(c3.5,-76.5) 3.5,-73 cw(c3.5,-76.5) 7,-76.5 cw(c3.5,-76.5)
  pour cut-out: 70.7,-35.7 ccw(c73.9,-35.7) 73.9,-38.9 ccw(c73.9,-35.7) 77.1,-35.7 ccw(c73.9,-35.7) 73.9,-32.5 ccw(c73.9,-35.7)
  pour cut-out: 18.7,-38.9 cw(c18.7,-35.7) 15.5,-35.7 cw(c18.7,-35.7) 18.7,-32.5 cw(c18.7,-35.7) 21.9,-35.7 cw(c18.7,-35.7)

## Silkscreen, mask and mechanical layers (free items; w line width, h text height)
Top Overlay:
  text "3V3" at 2.2,-11.5 h1
  text "GND" at 2.2,-14.6 h1
  text "BAT+" at 99.6,-24.1 h1
  text "GND" at 99.6,-31.8 h1
  text "5V" at 74.7,-47.875 h1
  text "GND" at 0.9,-59.7 h0.8 r45
  text "NRST" at 0.9,-62.4 h0.7 r45
  text "CLK" at 1,-64.6 h0.8 r45
  text "DIO" at 1.1,-66.9 h0.8 r45
  text "3V3" at 1.1,-69.6 h0.8 r45
  text "RS1" at 12.6,-78.4 h1
  text "SPI" at 27.2,-78.4 h1
  text "CAN" at 41.6,-78.4 h1
  text "RS2" at 53.6,-78.4 h1
  text "A1" at 65.7,-78.4 h1
  text "A2" at 78.6,-78.4 h1
Mechanical 32:
  the board outline again, w0.1

## Text inside footprints (layer, text, board x,y; h text height)
C1: Top Overlay "+" at 23.9,-40.4 h1 r90
C24: Bottom Overlay "+" at 52.475,-15.175 h1 r90
C26: Bottom Overlay "+" at 58.4,-7.8 h1 r90
C41: Top Overlay "+" at 92.3,-48.9 h1 r270
X2: Bottom Overlay "-" at 25.65,-23.65 h5 r180; Bottom Overlay "+" at 70.65,-23.65 h5 r180; Bottom Overlay "-" at 70.65,-47.75 h5; Bottom Overlay "+" at 25.65,-47.75 h5